# KiCad board HALTEST.kicad_pcb (continued)
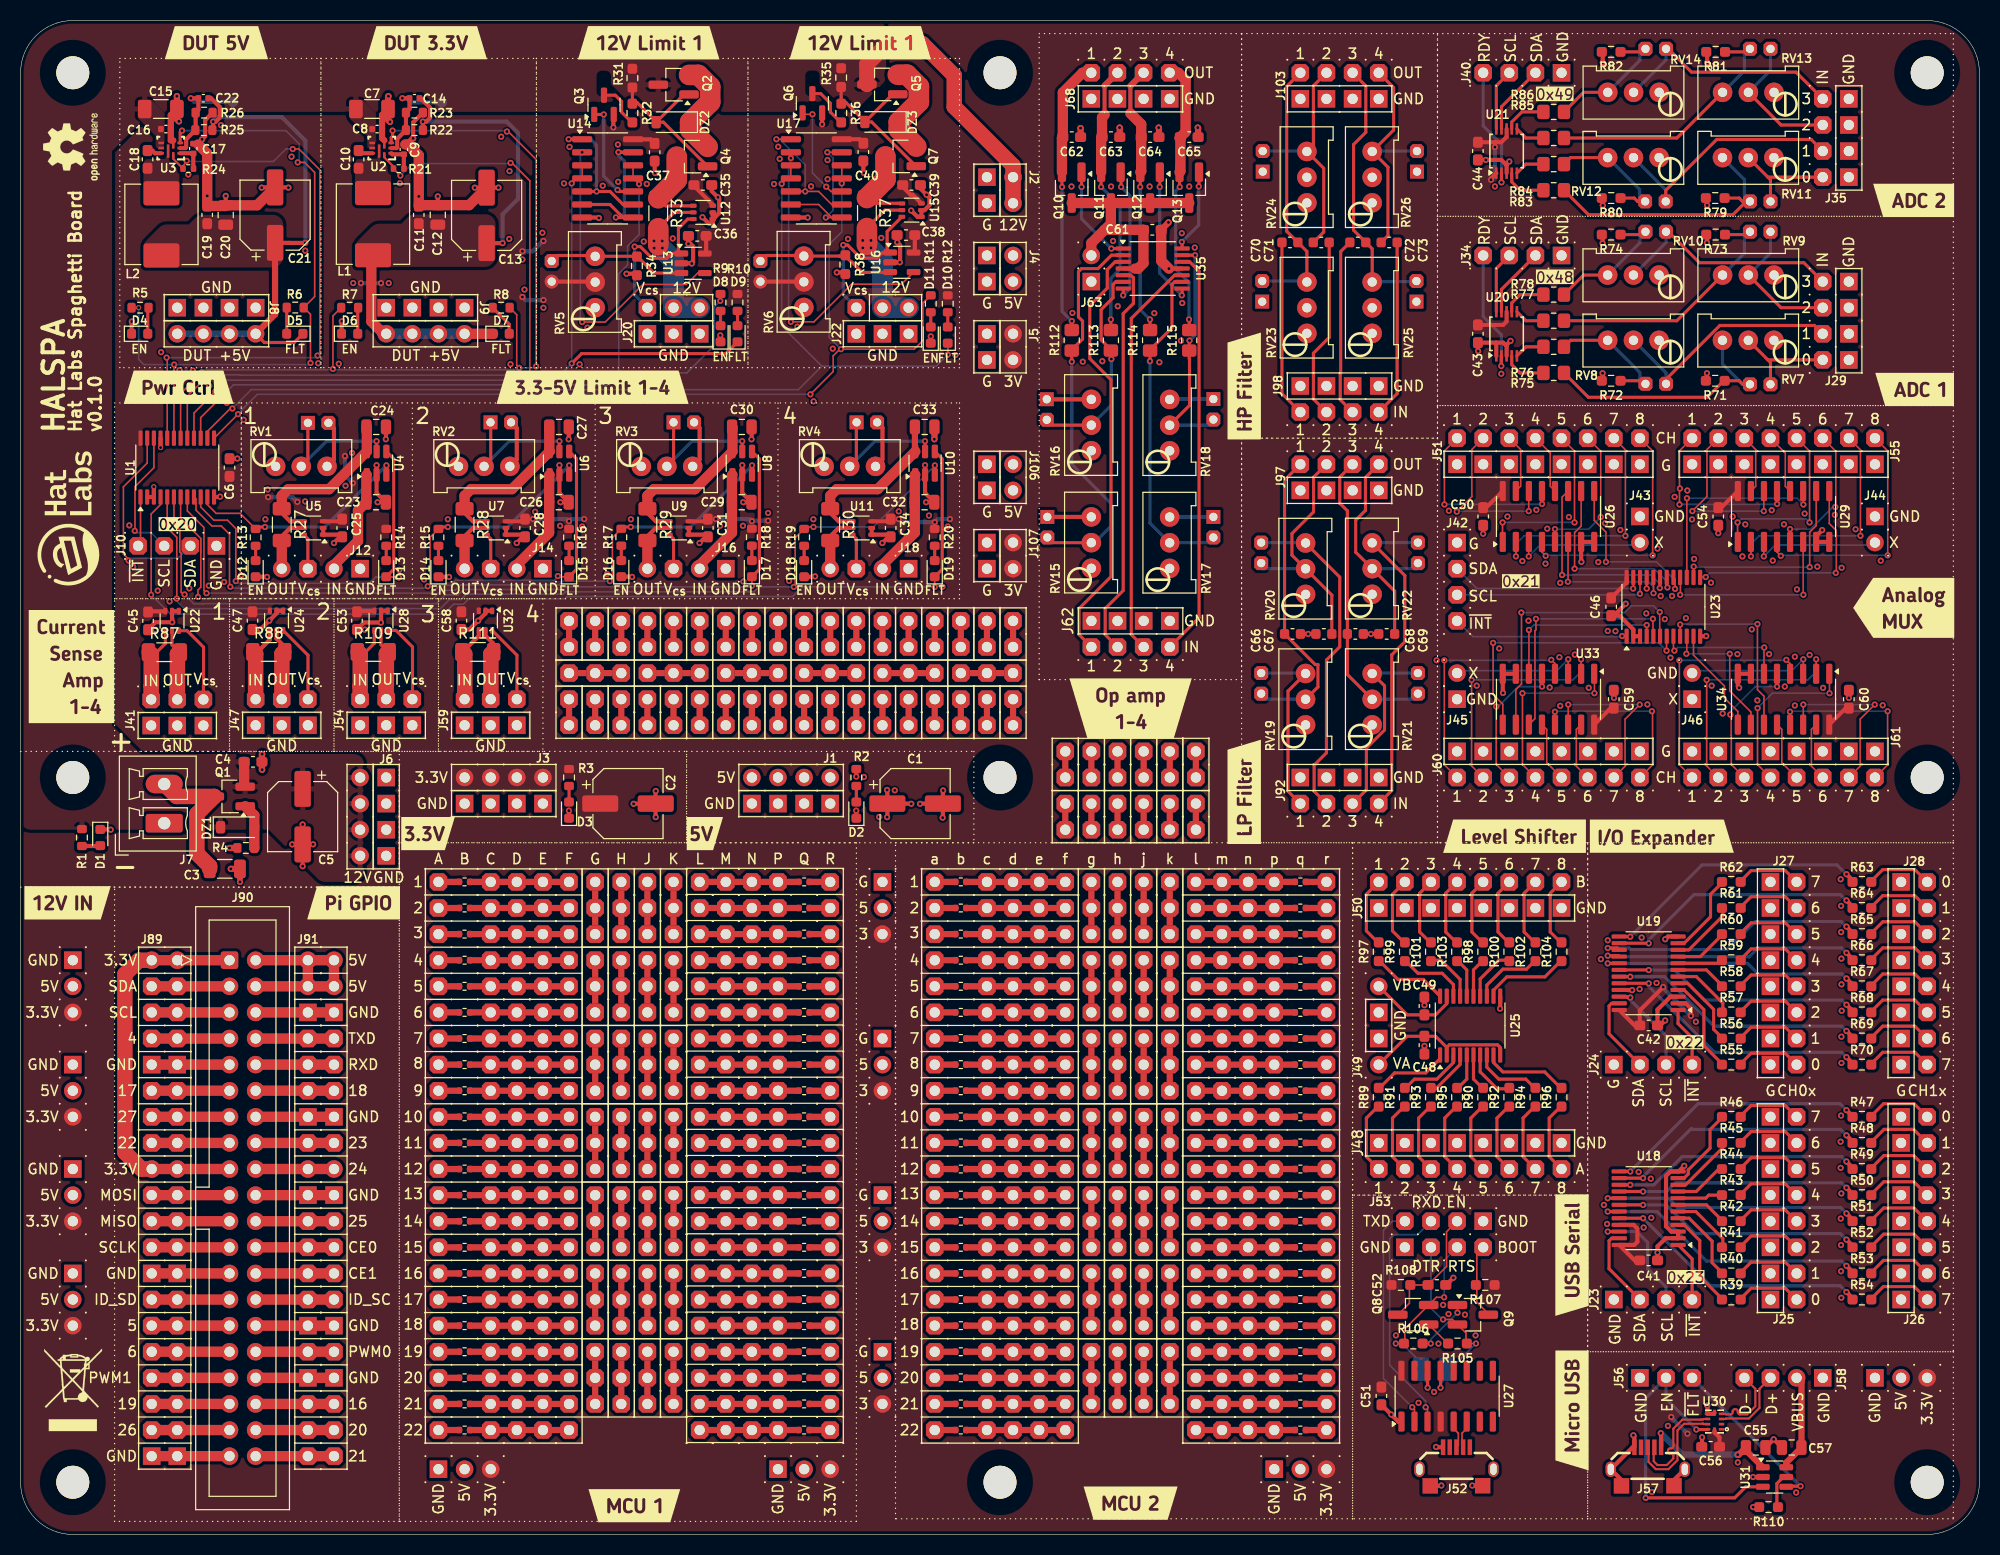
[diagram p0: board, top side]
## Routing (per net, layer and track width the routed paths; a pad name or vN(x,y) marks a point on that pad's centre or on a via; arc(x,y) is an arc through that point) (continued)
/ADC/ADS1115 1/AIN0: length 4.3
  Top w0.3: U20.4 145.02,113.84 145.83,113.03 R75.1
/ADC/ADS1115 1/AIN1: length 2.9
  Top w0.3: U20.5 146.4,115.57 R76.1
/ADC/ADS1115 1/AIN2: length 2.9
  Top w0.3: U20.6 146.4,118.11 R77.1
/ADC/ADS1115 1/AIN3: length 4.3
  Top w0.3: R78.1 145.83,120.65 145.02,119.84 U20.7
/ADC/ADS1115 1/AINc0: length 10.5
  Top w0.3: 169.93,114.3 RV7.2 ; 169.93,114.3 170.18,114.05 J30.1 ; 169.93,114.3 J29.2
/ADC/ADS1115 1/AINc1: length 23.7
  Top w0.3: J29.4 174.45,117.65 165.26,117.65 160.02,112.41 J31.1
  Bottom w0.3: J31.1 160.02,113.04 RV8.2
/ADC/ADS1115 1/AINc2: length 13.6
  Top w0.3: J29.6 171.21,119.38 168.03,122.56
  Bottom w0.3: 168.03,122.56 170.18,124.7 J32.1
/ADC/ADS1115 1/AINc3: length 22.8
  Top w0.3: J29.8 173.42,123.76 163.26,123.76 160.25,126.77 J33.1
  Bottom w0.3: J33.1 160.02,125.72 RV10.2
/ADC/ADS1115 1/AINr0: length 25.8
  Top w0.3: J30.2 167.48,111.92 167.13,112.27 165.63,112.27 ; 165.63,112.27 164.02,110.66 152.47,110.66 R75.2 ; 165.63,112.27 165.51,112.39
  Bottom w0.3: J30.2 167.48,111.92 165.51,113.89 RV7.3
/ADC/ADS1115 1/AINr1: length 12.9
  Top w0.3: RV8.3 150.73,116.21 R76.2 ; J31.2 157.72,112.27 155.51,112.27
  Bottom w0.3: RV8.3 157.48,113.07 157.48,112.51 J31.2
/ADC/ADS1115 1/AINr2: length 25.2
  Top w0.3: R77.2 161.08,118.11 RV9.3 ; J32.2 167.9,126.49 165.67,126.49
  Bottom w0.3: RV9.3 167.64,124.67 167.64,126.23 J32.2
/ADC/ADS1115 1/AINr3: length 13.4
  Top w0.3: J33.2 157.74,126.49 155.51,126.49 ; R78.2 152,122.56 RV10.3
  Bottom w0.3: RV10.3 157.48,125.69 157.48,127
/ADC/ADS1115 1/ALERT/RDY: length 12.5
  Top w0.3: v1(144,113.7) 144,114.67 U20.2
  Bottom w0.3: J34.4 142.24,118.51 144,116.75 v1(144,113.7)
/ADC/ADS1115 1/SCL: length 6
  Top w0.3: U20.10 143.52,123.2 J34.3
/ADC/ADS1115 1/SDA: length 6.8
  Top w0.3: U20.9 144.02,121.16 J34.2
/ADC/ADS1115 2/AIN0: length 4.3
  Top w0.3: R83.1 145.83,130.81 145.02,131.62 U21.4
/ADC/ADS1115 2/AIN1: length 2.9
  Top w0.3: U21.5 146.4,133.35 R84.1
/ADC/ADS1115 2/AIN2: length 2.9
  Top w0.3: U21.6 146.4,135.89 R85.1
/ADC/ADS1115 2/AIN3: length 4.2
  Top w0.3: R86.1 146,138.43 145.02,137.45 U21.7
/ADC/ADS1115 2/AINc0: length 10.5
  Top w0.3: RV11.2 169.93,132.08 ; 169.93,132.08 170.18,131.83 J36.1 ; 169.93,132.08 J35.2
/ADC/ADS1115 2/AINc1: length 24.4
  Top w0.3: J37.1 159.99,130.79 164.95,135.75 174.13,135.75 J35.4
  Bottom w0.3: RV12.2 159.99,130.85 J37.1
/ADC/ADS1115 2/AINc2: length 13.7
  Top w0.3: 168.03,140.34 171.21,137.16 J35.6
  Bottom w0.3: 168.03,140.34 168.03,140.34 170.18,142.48 J38.1
/ADC/ADS1115 2/AINc3: length 22.8
  Top w0.3: J35.8 172.66,142.3 162.5,142.3 160.23,144.57 J39.1
  Bottom w0.3: J39.1 160.02,143.49 RV14.2
/ADC/ADS1115 2/AINr0: length 27.7
  Top w0.3: R83.2 152.48,128.43 166.53,128.43 167.82,129.72 J36.2 167.46,129.72 167.13,130.05 165.63,130.05
  Bottom w0.3: RV11.3 167.64,131.86 167.64,130.26 J36.2
/ADC/ADS1115 2/AINr1: length 12.9
  Top w0.3: RV12.3 150.73,133.99 R84.2 ; 155.51,130.05 156.93,130.05 157.26,129.72 J37.2
  Bottom w0.3: RV12.3 157.45,130.88 157.45,130.26 J37.2
/ADC/ADS1115 2/AINr2: length 25.2
  Top w0.3: 165.67,144.27 167.88,144.27 J38.2 ; R85.2 161.08,135.89 RV13.3
  Bottom w0.3: RV13.3 165.53,140.34 167.64,142.44 167.64,144.03 J38.2
/ADC/ADS1115 2/AINr3: length 13.4
  Top w0.3: R86.2 152,140.34 RV14.3 ; J39.2 157.72,144.27 155.51,144.27
  Bottom w0.3: J39.2 157.48,144.03 157.48,143.46 RV14.3
/ADC/ADS1115 2/ALERT/RDY: length 12.3
  Top w0.3: v1(144.02,131.57) U21.2
  Bottom w0.3: v1(144.02,131.57) 144.03,131.59 144.03,135.27 142.24,137.06 J40.4
/ADC/ADS1115 2/SCL: length 6
  Top w0.3: J40.3 143.52,140.98 U21.10
/ADC/ADS1115 2/SDA: length 6.8
  Top w0.3: U21.9 144.02,138.94 J40.2
/Analog IO/A1: length 19.7
  Top w0.15: v1(149.91,93.37) 149.91,100.95 150.5,101.54 ; U23.19 159.44,92.13 v1(159.41,92.1)
  Bottom w0.15: v1(159.41,92.1) 159.41,92.51 158.55,93.37 v1(149.91,93.37)
/Analog IO/A2: length 20.6
  Top w0.15: 173.35,101.54 173.38,101.51 v1(173.38,100.23) ; v1(162.05,100.84) 162.04,100.83 U23.15
  Bottom w0.15: v1(173.38,100.23) 172.77,100.84 v1(162.05,100.84)
/Analog IO/A3: length 23.7
  Top w0.15: U33.11 147.27,79.39 147.27,87.93 147.37,88.04 v1(147.37,89.1) ; U23.5 158.75,87.45 v1(158.75,89.1)
  Bottom w0.15: v1(147.37,89.1) v1(158.75,89.1)
/Analog IO/A4: length 18.7
  Top w0.15: v1(168.91,88.6) 168.91,82.21 169.54,81.58 U34.11 ; v1(161.39,88.54) U23.9
  Bottom w0.15: v1(168.91,88.6) 161.44,88.6 v1(161.39,88.54)
/Analog IO/Analog MUX 1/X: length 12.8
  Top w0.15: v1(146.67,95.18) 146.67,96.57 U26.3
  Bottom w0.15: J43.2 157.24,96.28 147.77,96.28 v1(146.67,95.18)
/Analog IO/Analog MUX 1/X0: length 17.7
  Top w0.15: v1(147.97,100.28) 147.97,101.52 147.96,101.54 ; J51.2 138.47,105.45 v1(138.47,100.23)
  Bottom w0.15: v1(147.97,100.28) 147.92,100.23 v1(138.47,100.23)
/Analog IO/Analog MUX 1/X1: length 17.2
  Top w0.15: 146.69,101.54 146.67,101.52 v1(146.67,99.58) ; v1(139.67,99.53) 141.14,101 141.14,105.58 J51.4
  Bottom w0.15: v1(146.67,99.58) 139.72,99.58 v1(139.67,99.53)
/Analog IO/Analog MUX 1/X2: length 5.8
  Top w0.15: J51.6 145.88,105.58 145.88,102 145.41,101.54
/Analog IO/Analog MUX 1/X3: length 5.9
  Top w0.15: 149.22,101.54 148.76,102 148.76,105.24 J51.8
/Analog IO/Analog MUX 1/X4: length 17.6
  Top w0.15: J51.10 151.12,105.42 v1(151.12,98.48) ; U26.1 144.12,96.61 v1(144.12,98.48)
  Bottom w0.15: v1(151.12,98.48) v1(144.12,98.48)
/Analog IO/Analog MUX 1/X5: length 14.4
  Top w0.15: U26.5 149.22,96.59 v1(149.22,97.83) ; v1(153.67,99.01) 153.67,105.41 J51.12
  Bottom w0.15: v1(153.67,99.01) 152.49,97.83 v1(149.22,97.83)
/Analog IO/Analog MUX 1/X6: length 23.6
  Top w0.15: v1(156.07,97.18) 156.07,105.55 J51.14 ; v1(145.42,95.18) 145.42,96.58 U26.2
  Bottom w0.15: v1(145.42,95.18) 145.42,96.38 146.22,97.18 v1(156.07,97.18)
/Analog IO/Analog MUX 1/X7: length 23.8
  Top w0.15: J51.16 158.72,105.44 v1(158.72,95.28) ; U26.4 147.96,95.6 v1(148.32,95.23)
  Bottom w0.15: v1(158.72,95.28) 148.37,95.28 v1(148.32,95.23)
/Analog IO/Analog MUX 2/X: length 12.8
  Top w0.15: U29.3 169.53,96.57 v1(169.53,95.18)
  Bottom w0.15: v1(169.53,95.18) 170.63,96.28 180.1,96.28 J44.2
/Analog IO/Analog MUX 2/X0: length 17.9
  Top w0.15: v1(170.83,100.28) 170.83,101.52 170.81,101.54 ; J55.2 161.33,105.45 v1(161.33,100.23) ; 161.38,101.8 v1(161.37,101.78)
  Bottom w0.15: v1(161.37,101.78) 161.27,101.88 ; v1(161.33,100.23) 170.78,100.23 v1(170.83,100.28)
/Analog IO/Analog MUX 2/X1: length 17.1
  Top w0.15: v1(162.58,99.58) 164,101 164,105.58 J55.4 ; v1(169.53,99.58) 169.53,101.52 169.54,101.54
  Bottom w0.15: v1(162.58,99.58) v1(169.53,99.58)
/Analog IO/Analog MUX 2/X2: length 5.8
  Top w0.15: J55.6 168.74,105.58 168.74,102 168.28,101.54
/Analog IO/Analog MUX 2/X3: length 5.9
  Top w0.15: 172.09,101.54 171.62,102 171.62,105.24 J55.8
/Analog IO/Analog MUX 2/X4: length 17.9
  Top w0.15: J55.10 173.98,105.42 v1(173.98,98.48) ; v1(166.98,98.48) 166.98,96.61 U29.1
  Bottom w0.15: v1(173.98,98.48) 173.64,98.82 167.32,98.82 v1(166.98,98.48)
/Analog IO/Analog MUX 2/X5: length 13.8
  Top w0.15: v1(176.48,99.97) 176.53,100.03 176.53,105.41 J55.12 ; U29.5 172.08,96.59 v1(172.08,97.83)
  Bottom w0.15: v1(172.08,97.83) 174.08,97.83 176.23,99.97 v1(176.48,99.97)
/Analog IO/Analog MUX 2/X6: length 23.6
  Top w0.15: J55.14 178.93,105.55 v1(178.93,97.18) ; v1(168.28,95.18) 168.28,96.58 168.28,96.59
  Bottom w0.15: v1(168.28,95.18) 168.28,96.38 169.08,97.18 v1(178.93,97.18)
/Analog IO/Analog MUX 2/X7: length 23.8
  Top w0.15: v1(171.18,95.23) 170.81,95.6 U29.4 ; J55.16 181.58,105.44 v1(181.58,95.28)
  Bottom w0.15: v1(181.58,95.28) 171.23,95.28 v1(171.18,95.23)
/Analog IO/Analog MUX 3/X: length 12.8
  Top w0.15: U33.3 150.51,83.77 v1(150.51,85.16)
  Bottom w0.15: v1(150.51,85.16) 149.41,84.06 139.94,84.06 J45.2
/Analog IO/Analog MUX 3/X0: length 17.7
  Top w0.15: U33.13 149.21,78.82 v1(149.21,80.06) ; J60.2 158.71,74.89 158.71,80.11
  Bottom w0.15: 158.71,80.11 v1(158.65,80.11) 149.26,80.11 v1(149.21,80.06)
/Analog IO/Analog MUX 3/X1: length 17.1
  Top w0.15: v1(157.46,80.76) 156.04,79.34 156.04,74.76 J60.4 ; U33.14 150.51,78.82 v1(150.51,80.76)
  Bottom w0.15: v1(157.46,80.76) v1(150.51,80.76)
/Analog IO/Analog MUX 3/X2: length 5.8
  Top w0.15: 151.76,78.81 151.3,78.34 151.3,74.76 J60.6
/Analog IO/Analog MUX 3/X3: length 5.9
  Top w0.15: J60.8 148.42,75.1 148.42,78.34 U33.12
/Analog IO/Analog MUX 3/X4: length 17.6
  Top w0.15: v1(146.06,81.86) 146.06,74.92 J60.10 ; U33.1 153.06,83.73 v1(153.06,81.86)
  Bottom w0.15: v1(146.06,81.86) v1(153.06,81.86)
/Analog IO/Analog MUX 3/X5: length 13.9
  Top w0.15: v1(147.96,82.51) 147.96,83.75 U33.5 ; v1(143.51,80.57) 143.51,74.93 J60.12
  Bottom w0.15: v1(147.96,82.51) 145.64,82.51 143.7,80.57 v1(143.51,80.57)
/Analog IO/Analog MUX 3/X6: length 23.6
  Top w0.15: 151.76,83.76 151.76,83.76 v1(151.76,85.16) ; v1(141.11,83.16) 141.11,74.79 J60.14
  Bottom w0.15: v1(151.76,85.16) 151.76,83.96 150.96,83.16 v1(141.11,83.16)
/Analog IO/Analog MUX 3/X7: length 23.8
  Top w0.15: J60.16 138.46,74.9 v1(138.46,85.06) ; U33.4 149.22,84.75 v1(148.86,85.11)
  Bottom w0.15: v1(148.86,85.11) 148.81,85.06 v1(138.46,85.06)
/Analog IO/Analog MUX 4/X: length 12.8
  Top w0.15: U34.3 173.37,83.77 v1(173.37,85.16)
  Bottom w0.15: v1(173.37,85.16) 172.27,84.06 162.8,84.06 J46.2
/Analog IO/Analog MUX 4/X0: length 17.7
  Top w0.15: v1(172.07,80.06) 172.07,78.82 U34.13 ; J61.2 181.57,74.89 v1(181.57,80.11)
  Bottom w0.15: v1(181.57,80.11) 172.12,80.11 v1(172.07,80.06)
/Analog IO/Analog MUX 4/X1: length 17.1
  Top w0.15: U34.14 173.37,78.82 v1(173.37,80.76) ; v1(180.32,80.76) 178.9,79.34 178.9,74.76 J61.4
  Bottom w0.15: v1(180.32,80.76) v1(173.37,80.76)
/Analog IO/Analog MUX 4/X2: length 5.8
  Top w0.15: J61.6 174.16,74.76 174.16,78.34 U34.15
/Analog IO/Analog MUX 4/X3: length 5.9
  Top w0.15: J61.8 171.28,75.1 171.28,78.34 U34.12
/Analog IO/Analog MUX 4/X4: length 16.8
  Top w0.15: J61.10 168.92,74.92 v1(168.92,80.42) ; 175.9,83.76 175.92,83.73 v1(175.92,81.86)
  Bottom w0.15: v1(175.92,81.86) 170.36,81.86 v1(168.92,80.42)
/Analog IO/Analog MUX 4/X5: length 13.8
  Top w0.15: U34.5 170.82,83.75 v1(170.82,82.51) ; v1(166.27,79.78) 166.35,79.7 166.35,77.77 166.37,77.75 166.37,74.93 J61.12
  Bottom w0.15: v1(170.82,82.51) 168.72,82.51 166.27,80.07 v1(166.27,79.78)
/Analog IO/Analog MUX 4/X6: length 23.6
  Top w0.15: v1(174.62,85.16) 174.62,83.76 U34.2 ; J61.14 163.97,74.79 v1(163.97,83.16)
  Bottom w0.15: v1(163.97,83.16) 173.82,83.16 174.62,83.96 v1(174.62,85.16)
/Analog IO/Analog MUX 4/X7: length 23.8
  Top w0.15: v1(161.32,85.06) 161.32,74.9 J61.16 ; v1(171.72,85.11) 172.09,84.75 U34.4
  Bottom w0.15: v1(161.32,85.06) 171.67,85.06 v1(171.72,85.11)
/Analog IO/B1: length 18.9
  Top w0.15: 160.09,93.13 160.16,93.07 v1(160.16,92.15) ; v1(151.13,93.98) 151.13,97.5 151.76,98.13 151.76,101.54
  Bottom w0.15: v1(151.13,93.98) 158.85,93.98 160.16,92.67 v1(160.16,92.15)
/Analog IO/B2: length 20
  Top w0.15: v1(173.99,94.13) 173.99,97.53 174.62,98.17 174.62,101.54 ; v1(162.71,94.18) 162.71,93.15 U23.14
  Bottom w0.15: v1(162.71,94.18) 162.76,94.13 v1(173.99,94.13)
/Analog IO/B3: length 27.5
  Top w0.15: U23.6 159.41,87.44 v1(159.41,89.76) ; v1(145.95,89.71) 145.97,89.7 145.97,82.76 145.41,82.21 U33.10
  Bottom w0.15: v1(145.95,89.71) 155.99,89.71 156.64,90.37 158.8,90.37 v1(159.41,89.76)
/Analog IO/B4: length 13.7
  Top w0.15: 168.28,78.81 168.28,80.04 166.22,82.09 v1(166.22,85.7) ; U23.10 162.04,85.74 v1(162,85.7)
  Bottom w0.15: v1(166.22,85.7) v1(162,85.7)
/Analog IO/C1: length 16.8
  Top w0.15: v1(154.18,94.64) 154.18,97.54 153.03,98.68 153.03,101.54 ; v1(160.9,92.02) 160.9,92.98 U23.17
  Bottom w0.15: v1(160.9,92.02) 160.9,92.85 159.11,94.64 v1(154.18,94.64)
/Analog IO/C2: length 21.6
  Top w0.15: U23.13 163.38,93.17 v1(163.88,93.17) ; 175.9,101.54 175.9,98.37 176.58,97.69 176.58,93.62 v1(176.53,93.57)
  Bottom w0.15: v1(163.88,93.17) 164.29,93.57 v1(176.53,93.57)
/Analog IO/C3: length 26.9
  Top w0.15: U33.9 144.15,80.8 143.21,81.74 v1(143.21,86.77) ; 160.09,87.41 160.07,87.39 v1(160.07,86)
  Bottom w0.15: v1(143.21,86.77) 159.31,86.77 v1(160.07,86)
/Analog IO/C4: length 10.4
  Top w0.15: U34.9 167,80.09 165.7,81.39 165.7,82.56 162.69,85.57 U23.11
/Analog IO/INH1: length 14.6
  Top w0.15: v1(150.47,92.71) 150.5,92.74 U26.6 ; U23.20 158.8,93.12 v1(158.8,91.59)
  Bottom w0.15: v1(150.47,92.71) 158.33,92.71 158.8,92.24 v1(158.8,91.59)
/Analog IO/INH2: length 18.9
  Top w0.15: U29.6 173.35,91.47 v1(173.38,91.44) ; v1(161.39,91.44) 161.42,91.47 161.42,93.1 U23.16
  Bottom w0.15: v1(161.39,91.44) v1(173.38,91.44)
/Analog IO/INH3: length 17
  Top w0.15: v1(158.14,88.49) U23.4 ; v1(146.69,88.02) U33.6
  Bottom w0.15: v1(158.14,88.49) 147.16,88.49 v1(146.69,88.02)
/Analog IO/INH4: length 12.9
  Top w0.15: v1(169.57,86.31) 169.54,86.28 U34.6 ; U23.8 160.74,86.1 v1(160.83,86)
  Bottom w0.15: v1(169.57,86.31) 161.14,86.31 v1(160.83,86)
/Analog IO/SCL: length 19.4
  Top w0.15: v1(157.48,91.54) 157.49,91.55 U23.22
  Bottom w0.15: v1(157.48,91.54) 157.38,91.44 J42.3
/Analog IO/SDA: length 19.1
  Top w0.15: v1(156.82,92.05) 156.84,92.07 U23.23
  Bottom w0.15: 139.7,93.93 J42.2 141.63,92.05 v1(156.82,92.05)
/Analog IO/~{INT}: length 17.2
  Top w0.15: U23.1 155.77,87.41 v1(155.75,87.43)
  Bottom w0.15: J42.4 141.23,87.37 155.7,87.37 v1(155.75,87.43)
/Current Sense/INA199 1/IN1: length 7.8
  Top w0.3: 12.52,85.85 13.23,85.85 14.08,86.7 U22.4
  Top w1.5: 12.7,81.28 12.7,82.55 12.71,82.57 12.71,85.64 12.51,85.85
/Current Sense/INA199 1/OUT1: length 7.7
  Top w0.3: U22.5 14.73,86.55 15.43,85.85 14.73,85.85
  Top w1.5: 15.43,85.85 15.25,85.67 15.25,82.57 15.24,82.55 15.24,81.28
/Current Sense/INA199 2/IN1: length 7.5
  Top w0.4: 22.86,85.69 24.24,87.08 U24.4
  Top w1.5: J47.2 22.86,85.69 22.68,85.88 ; 22.86,81.3 22.88,81.32
/Current Sense/INA199 2/OUT1: length 7
  Top w0.4: 25.6,85.88 25.6,86.47 24.89,87.18 U24.5
  Top w1.5: 25.6,85.88 25.41,85.69 25.41,81.32 25.4,81.3
/Current Sense/INA199 3/IN1: length 7.8
  Top w0.3: U28.4 34.4,86.73 33.55,85.88 32.84,85.88
  Top w1.5: 32.83,85.88 33.03,85.67 33.03,82.59 33.02,82.57 33.02,81.3
/Current Sense/INA199 3/OUT1: length 7.7
  Top w0.3: 35.05,85.88 35.75,85.88 35.05,86.58 U28.5
  Top w1.5: 35.56,81.3 35.56,82.57 35.57,82.59 35.57,85.7 35.75,85.88
/Current Sense/INA199 4/IN1: length 7.4
  Top w0.4: U32.4 44.56,87.44 43,85.88
  Top w1.5: 43,85.88 43.2,85.68 43.2,81.32 43.18,81.3
/Current Sense/INA199 4/OUT1: length 7
  Top w0.4: U32.5 45.21,87.46 45.92,86.75 45.92,85.88
  Top w1.5: 45.92,85.88 45.73,85.69 45.73,81.32 45.72,81.3
/Digital IO/P1r00: length 6.4
  Top w0.3: 167.19,22.86 168.3,23.96 171.62,23.96 J25.16
/Digital IO/P1r01: length 6.4
  Top w0.3: 167.19,25.4 168.3,26.5 171.62,26.5 J25.14
/Digital IO/P1r02: length 6.4
  Top w0.3: J25.12 171.62,29.04 168.3,29.04 167.19,27.94
/Digital IO/P1r03: length 6.4
  Top w0.3: J25.10 171.62,31.58 168.3,31.58 167.19,30.48
/Digital IO/P1r04: length 6.4
  Top w0.3: J25.8 171.62,34.12 168.3,34.12 167.19,33.02
/Digital IO/P1r05: length 6.4
  Top w0.3: 167.19,35.56 168.3,36.66 171.62,36.66 J25.6
/Digital IO/P1r06: length 6.4
  Top w0.3: 167.19,38.1 168.3,39.2 171.62,39.2 J25.4
/Digital IO/P1r07: length 6.4
  Top w0.3: 167.19,40.64 168.3,41.74 171.62,41.74 J25.2
/Digital IO/P1r10: length 6.6
  Top w0.3: 179.9,40.64 181.18,41.92 184.14,41.92 J26.16
/Digital IO/P1r11: length 6.6
  Top w0.3: J26.14 184.1,39.42 181.22,39.42 179.9,38.1
/Digital IO/P1r12: length 6.6
  Top w0.3: J26.12 184.11,36.87 181.21,36.87 179.9,35.56
/Digital IO/P1r13: length 6.6
  Top w0.3: 179.9,33.02 181.19,34.32 184.12,34.32 J26.10
/Digital IO/P1r14: length 6.6
  Top w0.3: J26.8 184.13,31.77 181.19,31.77 179.9,30.48
/Digital IO/P1r15: length 6.6
  Top w0.3: J26.6 184.14,29.22 181.18,29.22 179.9,27.94
/Digital IO/P1r16: length 6.6
  Top w0.3: 179.9,25.4 181.16,26.67 184.15,26.67 J26.4
/Digital IO/P1r17: length 6.6
  Top w0.3: J26.2 184.16,24.12 181.16,24.12 179.9,22.86
/Digital IO/P2r00: length 6.4
  Top w0.3: 167.19,45.72 168.3,46.82 171.62,46.82 J27.16
/Digital IO/P2r01: length 6.4
  Top w0.3: 167.19,48.26 168.3,49.36 171.62,49.36 J27.14
/Digital IO/P2r02: length 6.4
  Top w0.3: J27.12 171.62,51.9 168.3,51.9 167.19,50.8
/Digital IO/P2r03: length 6.4
  Top w0.3: J27.10 171.62,54.44 168.3,54.44 167.19,53.34
/Digital IO/P2r04: length 6.4
  Top w0.3: J27.8 171.62,56.98 168.3,56.98 167.19,55.88
/Digital IO/P2r05: length 6.4
  Top w0.3: J27.6 171.62,59.52 168.3,59.52 167.19,58.42
/Digital IO/P2r06: length 6.4
  Top w0.3: J27.4 171.62,62.06 168.3,62.06 167.19,60.96
/Digital IO/P2r07: length 6.4
  Top w0.3: 167.19,63.5 168.3,64.6 171.62,64.6 J27.2
/Digital IO/P2r10: length 6.5
  Top w0.3: 179.9,63.5 181.1,64.7 184.22,64.7 J28.16
/Digital IO/P2r11: length 6.5
  Top w0.3: J28.14 184.22,62.16 181.1,62.16 179.9,60.96
/Digital IO/P2r12: length 6.5
  Top w0.3: 179.9,58.42 181.1,59.62 184.22,59.62 J28.12
/Digital IO/P2r13: length 6.5
  Top w0.3: J28.10 184.22,57.08 181.1,57.08 179.9,55.88
/Digital IO/P2r14: length 6.5
  Top w0.3: 179.9,53.34 181.1,54.54 184.22,54.54 J28.8
/Digital IO/P2r15: length 6.5
  Top w0.3: J28.6 184.22,52 181.1,52 179.9,50.8
/Digital IO/P2r16: length 6.5
  Top w0.3: 179.9,48.26 181.1,49.46 184.22,49.46 J28.4
/Digital IO/P2r17: length 6.5
  Top w0.3: 179.9,45.72 181.1,46.92 184.22,46.92 J28.2
/Digital IO/P100: length 9.4
  Top w0.3: 165.54,22.86 163.3,25.11 163.3,28.6 161.78,30.12 U18.4
/Digital IO/P101: length 7.8
  Top w0.3: U18.5 162.26,30.78 164.5,28.54 164.5,26.45 165.54,25.4
/Digital IO/P102: length 6.3
  Top w0.3: U18.6 162.91,31.43 165.54,28.8 165.54,27.94
/Digital IO/P103: length 5
  Top w0.3: U18.7 163.95,32.08 165.54,30.48
/Digital IO/P104: length 4.5
  Top w0.3: 161.19,32.73 163.88,32.73 164.18,33.02 165.54,33.02
/Digital IO/P105: length 5.3
  Top w0.3: U18.9 162.96,33.38 165.15,35.56 165.54,35.56
/Digital IO/P106: length 6.3
  Top w0.3: 165.54,38.1 165.54,37.64 161.93,34.03 U18.10
/Digital IO/P107: length 8.1
  Top w0.3: 165.54,40.64 164.3,39.4 164.3,37.59 162.18,35.47 162.18,35.08 161.78,34.68 U18.11
/Digital IO/P110: length 26
  Top w0.3: v1(156.54,35.32) 156.53,35.33 155.47,35.33
  Top w0.4: v1(177.57,41.29) 178.22,40.64 178.25,40.64
  Bottom w0.3: v1(177.57,41.29) 176.95,41.91 163.13,41.91 v1(156.54,35.32)
/Digital IO/P111: length 25.5
  Top w0.3: U18.14 157.78,34.68 v1(157.79,34.67)
  Top w0.4: 178.25,38.1 178.25,38.17 v1(177.57,38.84)
  Bottom w0.3: v1(177.57,38.84) 176.99,39.42 162.58,39.42 162.49,39.51 157.79,34.81 v1(157.79,34.67)
/Digital IO/P112: length 24.4
  Top w0.3: U18.15 156.53,34.03 v1(156.54,34.02)
  Top w0.4: v1(177.57,36.29) 178.25,35.62 178.25,35.56
  Bottom w0.3: v1(156.54,34.02) 158.84,34.02 161.58,36.76 177.1,36.76 v1(177.57,36.29)
/Digital IO/P113: length 23.7
  Top w0.3: U18.16 157.78,33.38 v1(157.79,33.37)
  Top w0.4: v1(177.57,33.74) 178.25,33.07 178.25,33.02
  Bottom w0.3: v1(177.57,33.74) 177.09,34.22 160.94,34.22 160.09,33.37 v1(157.79,33.37)
/Digital IO/P114: length 26
  Top w0.3: 155.47,32.73 155.46,32.72 v1(154.35,32.72)
  Top w0.4: v1(177.57,31.24) 178.25,30.57 178.25,30.48
  Bottom w0.3: v1(177.57,31.24) 176.99,31.82 161.14,31.82 160.24,32.72 v1(154.35,32.72)
/Digital IO/P115: length 24.5
  Top w0.3: U18.18 157.78,32.08 v1(157.79,32.07)
  Top w0.4: v1(177.57,28.69) 178.25,28.02 178.25,27.94
  Bottom w0.3: v1(157.79,32.07) 160.04,32.07 162.83,29.28 176.98,29.28 v1(177.57,28.69)
/Digital IO/P116: length 27.5
  Top w0.3: U18.19 155.46,31.42 v1(154.35,31.42)
  Top w0.4: 178.25,25.4 178.25,25.47 v1(177.57,26.14)
  Bottom w0.3: v1(177.57,26.14) 177.11,26.6 163.96,26.6 159.14,31.42 v1(154.35,31.42)
/Digital IO/P117: length 26.1
  Top w0.3: v1(157.79,30.77) 157.78,30.78 U18.20
  Top w0.4: v1(177.57,23.59) 178.25,22.92 178.25,22.86
  Bottom w0.3: v1(177.57,23.59) 176.96,24.2 164.36,24.2 v1(157.79,30.77)
/Digital IO/P200: length 9.4
  Top w0.3: 165.54,45.72 163.7,47.57 163.7,51.06 161.78,52.99 U19.4
/Digital IO/P201: length 7.7
  Top w0.3: U19.5 162.12,53.64 164.65,51.1 164.65,49.16 165.54,48.26
/Digital IO/P202: length 6.3
  Top w0.3: U19.6 162.97,54.29 165.54,51.71 165.54,50.8
/Digital IO/P203: length 5
  Top w0.3: U19.7 163.95,54.94 165.54,53.34
/Digital IO/P204: length 4.5
  Top w0.3: U19.8 165.25,55.59 165.54,55.88
/Digital IO/P205: length 5.3
  Top w0.3: 165.54,58.42 163.36,56.24 U19.9
/Digital IO/P206: length 6.5
  Top w0.3: 165.54,60.96 165.54,60.2 162.23,56.89 U19.10
/Digital IO/P207: length 8.1
  Top w0.3: U19.11 161.78,57.54 164.35,60.1 164.35,62.31 165.54,63.5
/Digital IO/P210: length 26.4
  Top w0.3: U19.13 156.53,58.19 v1(156.54,58.17)
  Top w0.4: 178.25,63.5 178.25,63.58 v1(177.57,64.25)
  Bottom w0.3: v1(177.57,64.25) 177.55,64.25 176.65,65.15 163.52,65.15 v1(156.54,58.17)
/Digital IO/P211: length 25.5
  Top w0.3: v1(158.34,57.52) 158.32,57.54 U19.14
  Top w0.4: v1(177.57,61.7) 178.25,61.03 178.25,60.96
  Bottom w0.3: v1(177.57,61.7) 177.55,61.7 177,62.25 162.73,62.25 158.34,57.86 v1(158.34,57.52)
/Digital IO/P212: length 26.8
  Top w0.3: v1(154.35,57.07) 155.28,57.07 U19.15
  Top w0.4: 178.25,58.42 178.25,58.48 v1(177.57,59.15)
  Bottom w0.3: v1(154.35,57.07) 156.44,57.07 156.59,56.92 165.97,56.92 168.67,59.62 171.38,59.62 171.41,59.65 177.05,59.65 177.55,59.15 v1(177.57,59.15)
/Digital IO/P213: length 26
  Top w0.3: v1(154.35,56.32) 155.38,56.32 U19.16
  Top w0.4: v1(177.57,56.6) 178.25,55.93 178.25,55.88
  Bottom w0.3: v1(154.35,56.32) 154.45,56.22 168.12,56.22 168.98,57.08 177.09,57.08 v1(177.57,56.6)
/Digital IO/P214: length 26
  Top w0.3: U19.17 155.45,55.57 v1(154.35,55.57)
  Top w0.4: v1(177.57,54.1) 178.25,53.43 178.25,53.34
  Bottom w0.3: v1(177.57,54.1) 177.13,54.54 168.98,54.54 167.95,55.57 v1(154.35,55.57)
/Digital IO/P215: length 24.5
  Top w0.3: U19.18 158.32,54.94 v1(158.34,54.92)
  Top w0.4: v1(177.57,51.55) 178.25,50.88 178.25,50.8
  Bottom w0.3: v1(158.34,54.92) 160.85,54.92 163.77,52 177.12,52 v1(177.57,51.55)
/Digital IO/P216: length 25.3
  Top w0.3: U19.19 156.53,54.29 v1(156.54,54.27)
  Top w0.4: 178.25,48.26 178.25,48.33 v1(177.57,49)
  Bottom w0.3: v1(156.54,54.27) 159.89,54.27 164.7,49.46 177.11,49.46 v1(177.57,49)
/Digital IO/P217: length 26.3
  Top w0.3: v1(158.34,53.62) 158.32,53.64 U19.20
  Top w0.4: v1(177.57,46.45) 178.25,45.78 178.25,45.72
  Bottom w0.3: v1(177.57,46.45) 177.1,46.92 164.74,46.92 158.34,53.32 v1(158.34,53.62)
/Digital IO/SCL1: length 11.7
  Top w0.3: U18.22 154.35,29.48 v1(154.35,29.47)
  Bottom w0.3: J23.3 160.02,24.08 158.23,25.87 158.23,28.42 157.18,29.47 v1(154.35,29.47)
/Digital IO/SCL2: length 9.1
  Top w0.3: v1(156.55,52.24) 156.29,52.24 156.2,52.34 U19.22
  Bottom w0.3: v1(156.55,52.24) 156.55,52 160.02,48.53 J24.3
/Digital IO/SDA1: length 8
  Top w0.3: J23.2 154.48,25.86 154.48,28.57 154.73,28.83 155.47,28.83
/Digital IO/SDA2: length 8
  Top w0.3: J24.2 154.48,48.72 154.48,51.43 154.73,51.69 U19.23
/Digital IO/~{INT1}: length 5.9
  Top w0.3: U18.1 162.56,26.81 J23.4
/Digital IO/~{INT2}: length 5.9
  Top w0.3: J24.4 162.56,48.34 161.19,49.71 U19.1
/DUT Power/Buck 3.3V/BOOT_: length 1.4
  Top w0.4: U2.7 33.14,134.41 C10.2
/DUT Power/Buck 3.3V/FB: length 10.6
  Top w0.4: v1(37.12,139.76) 37.82,139.76 37.82,138.71 R23.1 R22.2 36.63,135.81 36.63,134.98 36.55,134.91 U2.2
  Bottom w0.4: TP1.1 37.92,139.36 37.52,139.76 v1(37.12,139.76)
/DUT Power/Buck 5V/BOOT_: length 1.4
  Top w0.4: U3.7 13.08,134.41 12.81,134.67 C18.2
/DUT Power/Buck 5V/FB: length 10.9
  Top w0.4: U3.2 16.03,134.91 16.1,134.98 16.1,135.76 R25.2 17.02,136.69 R26.1 17.29,138.62 C22.2 v1(16.55,139.76)
  Bottom w0.4: v1(16.55,139.76) 16.9,139.41 TP2.1
/DUT Power/Curlim 1/CLSOUT: length 16.7
  Top w0.4: 25.08,99.73 26.22,98.59 U5.4
  Top w1: C24.1 33.67,107.74 U4.6 30,101.72 26.03,101.72 25.4,101.08 25.4,99.73
/DUT Power/Curlim 1/ILIM: length 13.8
  Top w0.3: J11.1 27.94,104.58 RV1.2 ; v1(34.62,106.39) 34.62,106.39 U4.5
  Bottom w0.3: RV1.2 29.74,106.39 v1(34.62,106.39)
/DUT Power/Curlim 1/V_{Iin}: length 3.7
  Top w0.3: U5.6 27.94,96.88 27.94,93.78
/DUT Power/Curlim 1/Vout: length 5.7
  Top w0.4: 25.08,96.8 26.22,97.94 U5.5
  Top w1: 25.4,96.8 J12.4
/DUT Power/Curlim 2/CLSOUT: length 16.7
  Top w0.4: 42.86,99.73 44,98.59 U7.4
  Top w1: C27.1 51.41,105.42 U6.6 47.78,101.72 43.81,101.72 43.18,101.08 43.18,99.73
/DUT Power/Curlim 2/ILIM: length 13.9
  Top w0.3: RV2.2 45.72,104.58 45.72,108.2 J13.1 ; U6.5 52.4,106.39 v1(52.4,106.39)
  Bottom w0.3: RV2.2 47.53,106.39 v1(52.4,106.39)
/DUT Power/Curlim 2/V_{Iin}: length 3.7
  Top w0.3: 45.72,93.78 45.72,96.88 U7.6
/DUT Power/Curlim 2/Vout: length 5.7
  Top w0.4: U7.5 44,97.94 42.86,96.8
  Top w1: 43.18,96.8 J14.4
/DUT Power/Curlim 3/CLSOUT: length 16.7
  Top w0.4: 60.64,99.73 61.78,98.59 U9.4
  Top w1: 60.96,99.73 60.96,101.08 61.59,101.72 65.56,101.72 U8.6 69.23,107.74 C30.1
/DUT Power/Curlim 3/ILIM: length 13.9
  Top w0.3: U8.5 70.18,106.39 v1(70.18,106.39) ; 62.86,103.94 63.5,104.58 J15.1